# Altium PCB MD2084.PcbDoc (part 4 of 4)
Units mil, origin at the board's own origin, x right, y up, seen from the top; angles counter-clockwise.
Board outline 2480.33 x 1456.84 mil, 6 copper layers (L1_TOP, L2_GND, L3_HS, L4_POWER, L5_GND, L6_BOT), stack 62.954 mil thick; 246 components, 198 nets, 1028 pads, 585 vias.
Unrouted connection lines stored in the file: 92.
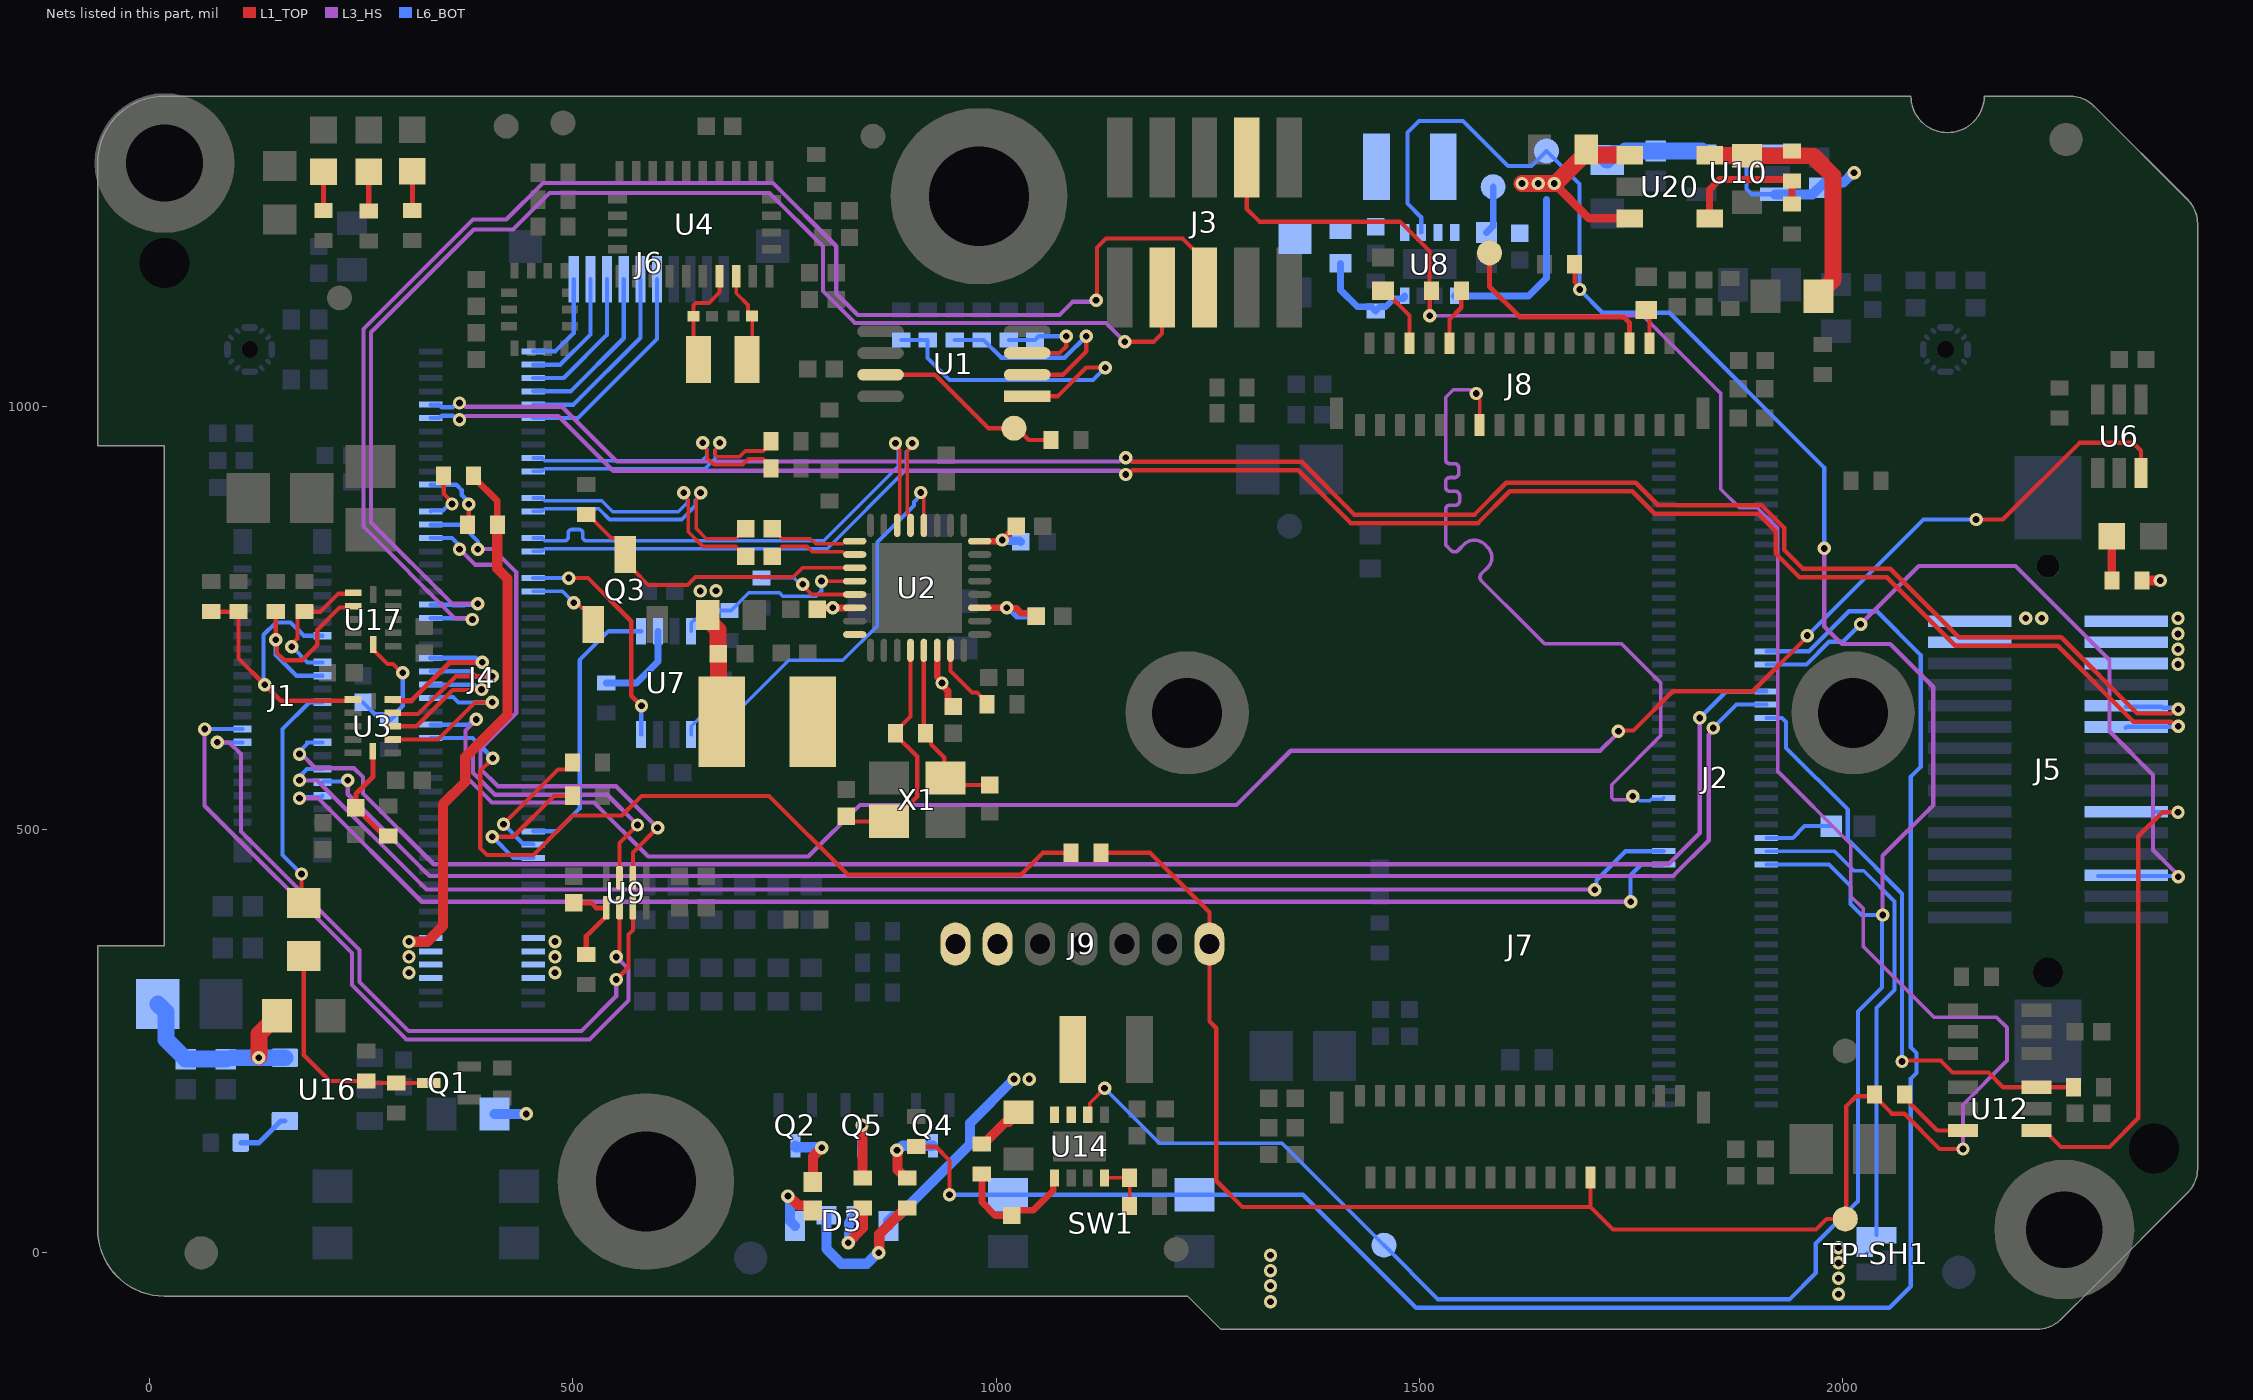
[diagram p8: the nets of this part, all layers, seen from the top]

## Via types
v1: diameter 15.83, hole 7.91, L1_TOP to L6_BOT, tented both sides, 554 vias
v2: diameter 15.98, hole 7.99, L1_TOP to L6_BOT, tented both sides, 23 vias
v3: diameter 20, hole 10, L1_TOP to L6_BOT, 4 vias
v4: diameter 15.83, hole 7.91, L1_TOP to L6_BOT, 4 vias

## Nets (pads, with @x,y where several pads share a name; then routed paths per layer and width w, separated by ;. In a path a pad name is that pad's centre, name@x,y a point inside that pad or via, vN(x,y) a via of type N, cw(c..) or ccw(c..) an arc to the next point about the centre after c; other vN are vias at no path point) (continued)
MIPI_RX7_D3_P: J2.48 J8.13 | length 896.9
  L1_TOP w4.2: v1(1567,1015) 1567,1011.85 1571.19,1007.67 J8.13@1571.19,977.72
  L3_HS w4.2: v1(1567,1015) 1563.85,1015 1559.58,1019.27 1539.73,1019.27 1531,1010.54 1531,945 1531,936.97 ccw(c1535.9,936.97) 1535.9,932.07 1541.46,932.07 cw(c1541.46,927.17) 1546.36,927.17 1546.36,920.64 cw(c1541.46,920.64) 1541.46,915.74 1535.9,915.74 ccw(c1535.9,910.85) 1531,910.85 1531,904.32 ccw(c1535.9,904.32) 1535.9,899.42 1542.41,899.42 cw(c1542.41,894.52) 1547.31,894.52 1547.31,887.99 cw(c1542.41,887.99) 1542.41,883.09 1535.9,883.09 ccw(c1535.9,878.2) 1531,878.2 1531,859.77 1531,836 1532.01,834.99 1535.83,831.17 1537.48,829.52 ccw(c1541.52,833.56) 1545.56,829.52 1554.56,838.52 1554.83,838.52 cw(c1564.93,824.85) 1576.95,836.87 1580.41,833.41 cw(c1568.39,821.39) 1580.41,809.37 1573.06,802.02 ccw(c1577.1,797.98) 1573.06,793.94 1598.53,768.47 1602.35,764.65 1647.71,719.29 1738.67,719.29 1759.98,697.98 1784.79,673.17 1784.79,610.79 1727,553 1727,537.53 1729.46,535.07 1744.58,535.07 1748.85,539.34 v1(1752,539.34)
  L6_BOT w4.2: v1(1752,539.34) 1755.02,539.34 1760.27,534.09 1768.43,534.09 1771.91,534.09 1773.68,535.86 1787.06,535.86 J2.48@1788.51,537.3
MODULE_nRST: J2.39 TP-SH1.2 | length 583.6
  L6_BOT w4.5: J2.39@1909.77,474.31 1990.26,474.31 2013.4,451.17 2024.83,451.17 2061.23,414.77 2061.23,310.35 2039.84,288.96 TP-SH1.2@2039.84,20.65 ; TP-SH1.2@2025.84,-3.35 TP-SH1.2@2029,-0.18
MX_RST: J2.69 R71.1 SW1.1 SW1.3 | length 2267.2
  L1_TOP w5: R71.1@905.47,125.28 928.72,125.28 944.84,109.16 v1(944.84,68.46)
  L6_BOT w5: v1(944.84,68.46) SW1.3@1234.24,68.46 1362.54,68.46 1496,-65 2055,-65 2080.41,-39.59 2080.41,205.77 2087,212.36 2087,236 2080.41,242.59 2080.41,562.41 2092,574 2092,706 2040.22,757.78 2007.26,757.78 1960.02,710.53 J2.69@1909.77,710.53
NetC1_2: C1.2 C64.1 FB3.1 R26.2 U16.5 | length 242.6
  L1_TOP w20: v1@129,231.98 129,258.5 140.82,270.31 142.79,270.31 150.5,278.03 R26.2@150.5,280
  L6_BOT w20: FB3.1@9.6,294 19.26,284.33 19.26,251.98 C64.1@42.53,228.72 ; C64.1@47.53,228.72 C1.2@90,228.72 ; C1.2@96.69,230.4 U16.5@159.8,230.4
  other v1: 129,230.4
NetC46_2: C46.2 L2.2 R66.1 R67.2 U8.5
NetC47_2: C47.2 R64.1 U3.12 | length 127.5
  L1_TOP w6: U3.12@263.78,592.52 263.78,562.16 243.62,542 C47.2@243.62,525.61 271.23,498 276.14,498 R64.1@282,492.14
NetC49_2: C49.2 R69.1 U10.5 | length 116.2
  L6_BOT w20: R69.1@1721.62,1290.69 1729.34,1298.41 1740.03,1298.41 1743.03,1301.4 C49.2@1779.22,1301.4 U10.5@1833.36,1301.41
NetC51_2: C51.2 R50.1 U9.5 | length 105.9
  L1_TOP w6: C51.2@500.86,413.39 521.65,413.39 527.56,407.48 U9.5@539.37,407.48 539.37,397.64 515.75,374.02 R50.1@515.75,352.36
NetC57_2: C57.2 R54.1 U14.1 | length 147.9
  L1_TOP w8: R54.1@983.09,89.35 983.09,59.82 998.83,44.07 C57.2@1018.52,44.07 1024.76,50.31 1043.9,50.31 1067.42,73.82 1067.42,86.88 U14.1@1068.93,88.4
NetC65_2: C65.2 U16.4 | length 62.7
  L6_BOT w6: C65.2@107.72,130 129.28,130 154.88,155.6 U16.4@159.8,155.6
NetC68_2: C68.2 R83.1 U17.12 | length 155
  L1_TOP w5: U17.12@264,718.5 265.44,717.07 265.44,710.94 280.96,695.41 287.62,695.41 298.03,685 v1(299,685)
  L6_BOT w5: C68.2@252,650.13 266.05,636.07 276.64,636.07 R83.1@283,629.72 284.97,629.72 291.33,636.07 291.33,638.04 299,645.72 v1(299,685)
NetC70_2: C70.2 R70.2 R75.1 U20.5 | length 305
  L1_TOP w20: U20.5@1842.67,1296.6 1843.04,1296.23 1886.6,1296.23 C70.2@1886.97,1295.86 1964.53,1295.86 1988.48,1271.91 1988.48,1148.95 1971.5,1131.97 R75.1@1971.5,1130
NetD1_1: D1.1 R80.2 | length 45.9
  L1_TOP w6: R80.2@205.32,1231.12 D1.1@205.32,1277.01
NetD2_2: D2.2 R3.1 | length 52.4
  L1_TOP w10: R3.1@2317.8,794.15 2317.8,846.35 D2.2@2317.91,846.46
NetD3_2: D3.2 R7.2 | length 85.4
  L1_TOP w12: v1(825.28,12) 842.52,29.24 R7.2@842.52,53.15
  L6_BOT w12: v1(825.28,12) 826.02,12.73 826.02,35.37 829.31,38.67 829.31,39.65 834.14,44.48 D3.2@835.13,44.48
NetD3_3: D3.3 R6.2 | length 182.5
  L1_TOP w12: v1(861.2,0) 861.94,0.73 861.94,22.06 890.17,50.29 892.14,50.29 R6.2@895,53.15
  L6_BOT w12: D3.3@799.69,44.48 799.69,4.31 817,-13 847.17,-13 860.17,0 v1(861.2,0)
NetD3_4: D3.4 R5.2 | length 75.8
  L1_TOP w12: v1(754,67) 755.04,67 766.03,56.01 778.64,56.01 783.46,51.18 R5.2@783.46,50.2
  L6_BOT w12: v1(754,67) 754,65.96 756.48,63.48 756.48,37.5 D3.4@762.29,31.68
NetD4_1: D4.1 R44.2 | length 46.2
  L1_TOP w6: R44.2@310.32,1231.12 D4.1@310.32,1277.33
NetD5_1: D5.1 R77.2 | length 46.2
  L1_TOP w6: R77.2@258.83,1230.8 D5.1@258.83,1277.01
NetJ2_41: J2.41 R1.2 | length 82.3
  L6_BOT w5: J2.41@1909.77,490.06 1941,490.06 1954.94,504 R1.2@1986.31,504
NetJ4_23: J4.23 R114.2 | length 173.4
  L1_TOP w5: v1(404.88,491.44) 429.59,491.44 477.81,539.66 R114.2@499.54,539.66
  L6_BOT w5: v1(404.88,491.44) 429.95,466.37 J4.23@453.28,466.37
NetJ4_25: J4.25 R108.2 | length 158.1
  L1_TOP w5: v1(418,506.31) 482.44,570.75 493.19,570.75 499.54,577.11 R108.2@499.54,579.08
  L6_BOT w5: v1(418,506.31) 441.15,483.16 452.23,483.16 J4.25@453.28,482.12
NetJ4_76: J4.76 R72.1 | length 70.9
  L1_TOP w5.16: R72.1@347.28,918 347.28,896.76 357.18,886.87 v1(357.18,884.52) ; R72.1@349.78,918 R72.1@349.78,922.51
  L6_BOT w5.16: J4.76@332.02,875.82 332.98,876.78 346.56,876.78 354.29,884.52 v1(357.18,884.52)
NetJ4_80: J4.80 R60.1 | length 84.3
  L1_TOP w5: R60.1@375.28,860.07 377,861.79 v1(377,884)
  L6_BOT w5: J4.80@332.02,907.32 362.2,907.32 368.59,900.93 368.59,895.34 377,886.93 v1(377,884)
NetJ8_6: J8.6 R63.1 | length 76.2
  L1_TOP w5: R63.1@1457,1136.32 1458.97,1136.32 1488.22,1107.07 J8.6@1488.22,1074.18
NetJ8_28: J8.28 TP8.1 | length 247.3
  L1_TOP w6: TP8.1@1582.71,1181.1 1582.71,1141.19 1618.37,1105.53 1741,1105.53 1748.06,1098.47 J8.28@1748.06,1074.18
NetJ8_30: J8.30 R61.1 | length 39.5
  L1_TOP w5.12: J8.30@1771.68,1074.18 R61.1@1771.68,1113.63
NetL2_1: L2.1 U8.7
NetL4_1: L4.1 U14.7
NetQ1_3: Q1.3 R52.1 R65.2 R78.1 | length 278
  L1_TOP w5: R78.1@182,350.39 182,233.61 212.85,202.76 R52.1@255.91,202.76 258.06,200.6 287.4,200.6 R65.2@287.4,202.76 ; R65.2@289.56,200.6 Q1.3@329.56,200.6
NetQ2_3: Q2.3 R5.1 | length 77.9
  L1_TOP w12: R5.1@783.46,83.66 783.46,113.46 v1(794,124)
  L6_BOT w12: Q2.3@762.78,126.45 762.78,124.83 762.87,124.73 793.27,124.73 v1(794,124)
NetQ4_3: Q4.3 R6.1 | length 83.3
  L1_TOP w12: v1(882.73,121) 883.47,120.27 883.47,98.15 893.03,88.58 R6.1@895,88.58
  L6_BOT w12: v1(882.73,121) 883.77,121 889.22,126.45 Q4.3@925.16,126.45
NetQ5_3: Q5.3 R7.1 | length 86.4
  L1_TOP w12: v1(841.52,150.46) 842.02,149.96 842.02,89.08 R7.1@842.52,88.58
  L6_BOT w12: v1(841.52,150.46) Q5.3@841.52,126.45 Q5.3@841.61,126.35
NetR29_1: R29.1 R33.2 U1.1 | length 385.4
  L1_TOP w5: U1.1@1036.61,1011.61 1072.35,1011.61 1106.3,1045.56 v1(1128.94,1045.56)
  L6_BOT w5: R29.1@888,1078.28 R33.2@919,1078.28 919,1057.03 945.03,1031 1114.38,1031 v1(1128.94,1045.56)
NetR30_1: R30.1 R34.2 U1.2 | length 273.5
  L1_TOP w5: U1.2@1036.61,1037.2 1078.82,1037.2 1106.3,1064.69 v1(1106.3,1082.68)
  L6_BOT w5: R34.2@951,1078.28 R30.1@983,1078.28 984.97,1078.28 1005.9,1057.35 1080.98,1057.35 v1(1106.3,1082.68)
NetR31_1: R31.1 R35.2 U1.3 | length 130.8
  L1_TOP w5: U1.3@1036.61,1062.8 1074.8,1062.8 1082.68,1070.68 v1(1082.68,1082.68)
  L6_BOT w5: R31.1@1015,1078.28 R35.2@1045.94,1078.28 1050.33,1082.68 v1(1082.68,1082.68)
NetR32_2: R32.2 TP2.1 U1.7 | length 233.6
  L1_TOP w5: U1.7@863.39,1037.2 927.8,1037.2 991,974 TP2.1@1021,974 1024.49,974 1038.49,960 R32.2@1064.96,960
NetR41_2: R41.2 U7.6 | length 107.4
  L6_BOT w8: R41.2@539.37,673.06 575.06,673.06 600.39,698.39 U7.6@600.39,734.25
NetR43_2: R43.2 U2.31 | length 85.1
  L1_TOP w5: U2.31@946.06,711.64 946.06,687.1 971.36,661.8 977.45,661.8 989.28,649.97 R43.2@989.28,648
NetR55_1: R55.1 R59.2 U14.4 | length 63.1
  L1_TOP w4.3: U14.4@1127.98,88.4 1128.08,88.49 R59.2@1157.7,88.49 R55.1@1157.7,55.19
NetR62_2: R62.2 U12.3 | length 89.1
  L1_TOP w5: R62.2@2072.72,187 2079.07,180.64 2079.07,176.93 2111.59,144.41 U12.3@2142,144.41
NetR67_1: R67.1 R68.2 U8.4 | length 125.8
  L6_BOT w8: R67.1@1406.74,1168.71 1406.74,1137.26 1426.54,1117.46 1443.38,1117.46 R68.2@1448.23,1112.6 1453.09,1117.46 1460.14,1117.46 1469.61,1126.93 1480.92,1126.93 1482.43,1128.44 U8.4@1482.43,1130.32
NetR70_1: R70.1 R74.2 U20.4 | length 164.1
  L1_TOP w8: U20.4@1842.67,1221.8 1842.67,1256.06 1854.33,1267.72 1938.03,1267.72 R70.1@1940,1265.75 R74.2@1940,1238.91
nRST: J1.26 R2.1 R82.1 U3.7 | length 385.1
  L1_TOP w5: R2.1@73,757.28 R82.1@105,757.28 105,702 v1(136,671) 154.91,652.09 U3.7@240.38,652.09
  L6_BOT w5: v1(136,671) 134.59,672.41 134.59,729.97 149.23,744.61 166.47,744.61 182.22,728.87 J1.26@204.25,728.87
PCIE_1V0: C7.2 C8.2 C13.2 C14.2 C15.2 C16.2 C17.2 C18.2 L1.2 U2.3 U2.8 U2.22 U2.30 | length 432.4
  L1_TOP w8: C13.2@793.75,760.01 795.52,761.78 U2.22@832.87,761.84 U2.22@832.87,761.84 ; U2.30@930.32,711.64 930.32,680.8 936,675.12 936,670.88 943.23,663.65 943.23,651.48 C14.2@949.47,645.25 ; U2.3@980.51,761.84 v1@1014.58,761.84 ; U2.8@980.51,840.58 v1@1005.93,840.58 ; v1@1007.18,841.82 C16.2@1023.62,858.27 ; v1(1012.46,761.84) 1013.19,761.11 1023.89,761.11 1029.69,755.31 1043.91,755.31 C15.2@1047.24,751.97
  L1_TOP w20: C7.2@655.29,753.64 655.29,751.67 671.51,735.45 671.51,707.92 C8.2@671.74,707.68 671.98,707.44 671.98,631.27 L1.2@676.02,627.23
  L6_BOT w8: v1(1012.46,761.84) 1014.58,761.84 1024.42,752 C18.2@1047.25,752
  L6_BOT w10: v1(1007,842) 1008.05,840.95 1027.79,840.95 C17.2@1028.83,839.91
  other v1: 936,673 806.94,761.84 650.37,781.65 669,782
PCIe_CLKREQ_N_1V8: J4.65 U7.4 | length 275.7
  L1_TOP w5: v1(495,797) 517.9,797 569,745.9 569,658 v1(581,646)
  L6_BOT w5: J4.65@453.28,797.08 453.31,797.04 494.96,797.04 v1(495,797) ; U7.4@580.71,612.2 580.85,612.35 580.85,645.85 v1(581,646)
PCIe_CLKREQ_N_3V3: R39.1 U2.12 U7.1 | length 497.7
  L1_TOP w4.3: v1(911,898) 911,894.88 914.57,891.31 U2.12@914.57,859.28
  L6_BOT w4.3: U7.1@639.76,612.2 639.76,622.05 657.48,639.76 692.91,639.76 694.88,639.76 755.02,699.9 818.9,699.9 859.69,740.69 859.69,839.54 902.9,882.75 902.9,886.78 911,894.88 v1(911,898)
PCIe_ISOLATE_N_1V8: J4.27 U7.5 | length 328
  L6_BOT w5: J4.27@453.28,497.87 481.15,497.87 487.39,504.11 487.39,504.16 508,524.77 508,700 542.25,734.25 U7.5@580.71,734.25
PCIe_ISOLATE_N_3V3: R40.1 U2.20 U7.8 | length 233.4
  L1_TOP w4.3: v1(793.67,793.41) 793.75,793.34 U2.20@832.87,793.34
  L6_BOT w4.3: U7.8@639.76,734.25 639.76,744.09 643.52,747.85 644.85,747.85 655.72,758.72 R40.1@685,758.72 686.97,758.72 707.78,779.53 744.09,779.53 748.03,775.59 787.4,775.59 793.59,781.78 793.59,793.33 v1(793.67,793.41)
PCIe_PERST_1V8: J4.63 Q3.1 | length 97.3
  L1_TOP w4.3: v1(501,768) 504.12,768 510.49,761.63 518.49,761.63 529.13,750.98 Q3.1@529.13,742.13
  L6_BOT w4.3: J4.63@453.28,781.33 487.67,781.33 v1(501,768)
PCIe_PERST_N_3V3: Q3.3 R37.1 U2.19 | length 370.3
  L1_TOP w4.3: R37.1@515.75,871.88 517.72,871.88 545.29,844.31 551.28,844.31 560.45,835.14 560.45,826.28 Q3.3@561.93,824.8 561.93,815.94 572.57,805.3 572.7,805.3 589.15,788.85 635.44,788.85 644.9,798.31 760.42,798.31 771.19,809.08 U2.19@832.87,809.08
PCIe_WAKE_N: R38.1 U2.21 | length 119.1
  L1_TOP w4.3: v1(771.65,789.65) 771.65,788.09 782.15,777.59 U2.21@832.87,777.59
  L6_BOT w4.3: R38.1@722.83,797.24 760.94,797.24 768.53,789.65 v1(771.65,789.65)
PG_3V3: J2.37 R10.1 TP7.1 TP13.1 U8.6 U14.6 | length 3177.2
  L1_TOP w4.3: U14.6@1108.3,163.2 1110.59,165.49 1110.59,176.78 v1(1128,194.19)
  L1_TOP w5: R10.1@1683.39,1167.72 1683.39,1146.63 1689.3,1140.72 v1(1689.3,1137.8)
  L3_HS w5: v1(1978,832) 1978,740 1997,721 1999,719 2056,719 2107,668 2107,528.84 2047.06,468.91 v1(2047.06,399)
  L6_BOT w4.3: v1(1128,194.19) 1192.88,129.31 1337.69,129.31 TP7.1@1458,9
  L6_BOT w5: TP7.1@1458,9 1522,-55 1937,-55 1968,-24 1968,11 2018,61 2018,285 2046.41,313.41 2046.41,398.35 v1(2047.06,399) ; U8.6@1502.12,1205.12 1502.12,1223.07 1485.81,1239.37 1485.81,1323.3 1499.51,1337 1551.42,1337 1604.73,1283.69 1632.28,1283.69 TP13.1@1650,1301.41 1689,1262.41 1689,1137.77 1716.39,1110.39 1795.13,1110.39 1978,927.51 v1(1978,832) ; J2.37@1909.77,458.56 1983.68,458.56 2009.21,433.04 2009.21,412.05 2022.26,399 v1@2046.41,399
REGOUT: L1.1 U2.24
RX_DBG: J3.3 J4.62 | length 1612.7
  L1_TOP w5: v1(1152,1076) 1186,1076 1196,1086 J3.3@1196,1140.23
  L3_HS w5: v1(387.75,766.78) 357.09,766.78 261.53,862.35 261.53,1087.38 382.81,1208.66 429.13,1208.66 472.44,1251.97 732.28,1251.97 795.28,1188.98 795.28,1136.18 833.03,1098.43 1129.57,1098.43 v1(1152,1076)
  L6_BOT w5: J4.62@332.02,765.58 356.97,765.58 357.95,764.61 371.62,764.61 372.34,765.32 386.29,765.32 v1(387.75,766.78)
SDS_CLK_N: J4.83 R9.1 | length 334.1
  L1_TOP w4.2: v1(653.54,956.69) 653.54,953.67 658.8,948.42 658.8,938.62 666.72,930.7 700.35,930.7 707.4,937.76 725.03,937.76 727.49,935.3 727.49,933.18 R9.1@734.25,926.42
  L6_BOT w4.2: J4.83@453.28,938.81 463.51,938.81 466.73,935.6 652.26,935.6 658.8,942.13 658.8,948.42 653.54,953.67 v1(653.54,956.69)
SDS_CLK_P: J4.81 R8.1 | length 334.1
  L1_TOP w4.2: v1(673.37,956.69) 673.37,953.67 668.12,948.42 668.12,942.48 670.57,940.02 696.49,940.02 703.55,947.08 725.03,947.08 727.49,949.54 727.49,951.66 R8.1@734.25,958.42
  L6_BOT w4.2: J4.81@453.28,923.06 463.51,923.06 466.73,926.28 656.12,926.28 668.12,938.27 668.12,948.42 673.37,953.67 v1(673.37,956.69)
SDS_RXD1_N: C20.1 U2.18 | length 106.2
  L1_TOP w4.2: C20.1@735.53,822.42 747.37,834.26 776.61,834.26 782.82,828.05 818.82,828.05 822.04,824.83 U2.18@832.87,824.83
SDS_RXD1_P: C19.1 U2.17 | length 106.2
  L1_TOP w4.2: C19.1@735.53,855.42 747.37,843.58 780.47,843.58 786.68,837.36 818.82,837.36 822.04,840.58 U2.17@832.87,840.58
SDS_RXD_N: C20.2 J4.77 | length 334.2
  L1_TOP w4.2: v1(631,897.64) 631,894.62 636.26,889.36 636.26,851.66 653.65,834.26 687.5,834.26 692.19,834.26 C20.2@704.04,822.42
  L6_BOT w4.2: J4.77@453.28,891.57 463.51,891.57 466.73,888.35 534.27,888.35 547.17,875.46 624.57,875.46 635,885.89 635,890.5 631,894.49 v1(631,897.64)
SDS_RXD_P: C19.2 J4.75 | length 335.2
  L1_TOP w4.2: v1(650.83,897.64) 650.83,894.62 645.57,889.36 645.57,855.52 657.51,843.58 683.64,843.58 692.19,843.58 C19.2@704.04,855.42
  L6_BOT w4.2: J4.75@453.28,875.82 463.51,875.82 466.73,879.03 530.41,879.03 543.31,866.14 628.43,866.14 644.31,882.03 644.31,888.11 650.83,894.62 v1(650.83,897.64)
SDS_TXD_N: J4.71 U2.14 | length 616.5
  L1_TOP w4.2: v1(881.09,956.21) 881.09,953.07 885.84,948.32 885.84,872.88 883.07,870.12 U2.14@883.07,859.28
  L6_BOT w4.2: J4.71@453.28,844.32 463.51,844.32 466.73,841.11 488,841.11 490.1,841.11 ccw(c490.1,845.41) 494.4,845.41 494.4,850.04 cw(c498.7,850.04) 498.7,854.33 507.29,854.33 cw(c507.29,850.04) 511.59,850.04 511.59,845.41 ccw(c515.89,845.41) 515.89,841.11 524.13,841.11 796.44,841.11 884.38,929.06 884.38,947.94 883.31,949.01 883.31,953.99 v1(881.09,956.21)
SDS_TXD_P: J4.69 U2.13 | length 615.3
  L1_TOP w4.2: U2.13@898.82,859.28 898.82,869.75 895.15,873.42 895.15,947.43 900.91,953.19 v1(900.91,956.21)
  L6_BOT w4.2: J4.69@453.28,828.57 463.51,828.57 466.73,831.79 800.29,831.79 893.7,925.2 893.7,945.98 900.91,953.19 v1(900.91,956.21)
SoM_FSYNC: J4.44 U6.3 | length 2381.5
  L1_TOP w5: v1(1735,616.04) 1735.94,616.99 1752.91,616.99 1799.21,663.29 1893.65,663.29 1958.18,727.82 v1(1958.18,729.08) ; v1(2157.48,866.14) 2188.98,866.14 2279.53,956.69 2343.06,956.69 2352.36,947.39 U6.3@2352.36,921.26
  L3_HS w5: v1(386,630) 373,617 373,563.27 404.27,532 525.07,532 589.07,468 778,468 839,529 1284,529 1348,593 1713.38,593 1735,614.62 v1(1735,616.04)
  L6_BOT w5: J4.44@332.02,623.85 376.92,623.85 383.07,630 v1(386,630) ; v1(1958.18,729.08) 2095.24,866.14 v1(2157.48,866.14)
STRB/I2S_SCK_1V8: J5.25 U12.4 | length 564
  L1_TOP w5: U12.4@2228.61,144.41 2238.46,144.41 2257.87,125 2315,125 2349,159 2349,491.96 2377.31,520.27 v1(2396,520.27)
  L6_BOT w5: J5.25@2366.5,520.27 2366.87,520.63 2395.63,520.63 v1(2396,520.27)
STRB/SCK_SEL: J2.59 R56.2 U12.6 | length 698.8
  L1_TOP w5: v1(2070,226) 2071,227 2115.63,227 2129.68,212.95 2172.05,212.95 2189.41,195.59 U12.6@2228.61,195.59 R56.2@2272.28,195.59
  L6_BOT w5: J2.59@1909.77,631.79 1928.34,631.79 1933.07,627.06 1933.07,596.36 2006,523.43 2006,488 2069.98,424.02 v1@2069.98,226.02
STROBE: J3.8 J7.10 J9.7 R62.1 R84.2 R85.2 TP11.1 | length 3459.2
  L1_TOP w5: R84.2@1124.02,472.44 1181.56,472.44 1251.81,402.19 1251.81,273.45 1260,265.26 1260,85 1290.87,54.13 1701.87,54.13 ; J3.8@1296,1293.77 1296,1233 1311,1218 1477,1218 1511.84,1183.16 R85.2@1511.84,1129.43 ; v1(1512,1107) R85.2@1512,1134.39 ; J7.10@1701.87,88.85 1701.87,54.13 ; v1(2142,122.61) 2114.39,122.61 2072.66,164.34 2057.98,164.34 2037.28,185.03 R62.1@2037.28,187 2035.14,184.85 2015.85,184.85 2004,173 2004,41.02 TP11.1@2002.98,40 1980.94,40 1968.5,27.56 1728.44,27.56 1701.87,54.13
  L3_HS w4.3: v1(1512,1107) 1764,1107 1856,1015 1856,902 1878,880 1899,880 1923,856 1923,568.96 2009.56,482.4 2009.56,421.24 2024,406.8 2024,362 2108,278 2182,278 2194,266 2194,227 2142,175 v1(2142,122.61)
STROBE_GEN: J4.42 R84.1 | length 975.3
  L1_TOP w5: v1(405.41,584.07) 390.47,569.12 390.47,478.03 398.49,470 453.28,470 487.39,504.11 487.39,504.16 499.64,516.41 557.75,516.41 581,539.66 731.72,539.66 824.9,446.49 1029.16,446.49 1055.12,472.44 R84.1@1088.58,472.44
  L6_BOT w5: J4.42@332.02,608.1 381.25,608.1 405.29,584.07 v1(405.41,584.07)
STROBE_IMX378: J8.10 R85.1 | length 67.9
  L1_TOP w5: J8.10@1535.46,1074.18 1535.46,1102.36 1549.36,1116.26 R85.1@1549.36,1136.32
SYS_RST: J4.89 J6.6 | length 255.4
  L6_BOT w5: J4.89@453.28,986.06 506.06,986.06 599.43,1079.43 J6.6@599.43,1150
TCK: J4.97 J6.2 | length 147.5
  L6_BOT w5: J4.97@453.28,1049.05 485.05,1049.05 520.69,1084.68 J6.2@520.69,1150
TDI: J4.95 J6.3 | length 173.8
  L6_BOT w5: J4.95@453.28,1033.3 489.19,1033.3 540.37,1084.48 J6.3@540.37,1150
TDO: J4.91 J6.5 | length 228.4
  L6_BOT w5: J4.91@453.28,1001.8 500.76,1001.8 579.74,1080.79 J6.5@579.74,1150
TH_I2C_SCL: J1.28 R81.1 U17.7 | length 158.5
  L1_TOP w5: v1(168,716) 168,718.93 174.67,725.6 174.67,750.93 180.24,756.49 R81.1@182.57,756.49 ; R81.1@183,757.28 201.78,757.28 223.04,778.54 239.39,778.54 U17.7@240.38,779.53
  L6_BOT w5: v1(168,716) 186.63,697.37 J1.28@204.25,697.37
TH_I2C_SDA: J1.29 R79.1 U17.8 | length 263.2
  L1_TOP w5: R79.1@149,757.28 v1(149,724) 150.41,722.59 150.41,708.59 159,700 180.27,700 198,717.73 198,735.84 224.51,762.34 238.94,762.34 U17.8@240.38,763.78
  L6_BOT w5: v1(149,724) 149,706 173.38,681.62 J1.29@204.25,681.62
TH_IO_1: J4.52 U3.4 | length 211.8
  L1_TOP w5: U3.4@287.62,636.35 317.06,636.35 361.71,681 v1(404.88,681)
  L6_BOT w5: J4.52@332.02,686.84 379.22,686.84 385.97,680.09 403.97,680.09 v1(404.88,681)
TH_IO_2: J4.50 U3.3 | length 185.1
  L1_TOP w5: U3.3@287.4,622.05 315.49,622.05 358.13,664.68 391.5,664.68 v1(392.12,665.3)
  L6_BOT w5: J4.50@332.02,671.09 383.39,671.09 389.19,665.3 v1(392.12,665.3)
TH_IO_3: J4.48 U3.2 | length 211.6
  L1_TOP w5: U3.2@287.4,606.3 340.51,606.3 384.34,650.13 v1(404.88,650.13)
  L6_BOT w5: J4.48@332.02,655.35 333.06,656.39 348.96,656.39 349.03,656.46 358.53,656.46 364.86,650.13 v1(404.88,650.13)
TH_nRST: J4.54 U3.5 | length 187.3
  L1_TOP w6: U3.5@287.62,652.09 309.21,652.09 354.48,697.37 v1(393,697.37)
  L6_BOT w6: J4.54@332.02,702.59 385.12,702.59 390.34,697.37 v1(393,697.37)
TH_RX: J4.74 U9.2 | length 688.2
  L1_TOP w5: U9.2@570.87,442.91 570.87,472.87 v1(600,502)
  L3_HS w5: v1(387.75,831.2) 405.8,831.2 433,804 433,637.27 391,595.27 391,571.52 411.52,551 551,551 v1(600,502)
  L6_BOT w5: J4.74@332.02,860.07 367.68,860.07 387.75,840 v1(387.75,831.2)
TH_RX_3V3: J1.7 U9.7 | length 847.2
  L1_TOP w5: v1(551.18,322.83) 565.59,337.25 565.59,375.9 570.87,381.17 U9.7@570.87,407.48
  L3_HS w5: v1(80,602.88) 94.12,602.88 108,589 108,497.73 248,357.73 248,320 306,262 510.03,262 551.18,303.15 v1(551.18,322.83)
  L6_BOT w5: v1(80,602.88) J1.7@109.76,602.88
TH_SPI2_CS: J1.38 J2.38 | length 1727.3
  L3_HS w5: v1(177,537) 199,537 321.43,414.57 v1(1749.41,414.57)
  L6_BOT w5: v1(177,537) 178.44,538.44 202.81,538.44 J1.38@204.25,539.89 ; v1(1749.41,414.57) 1749.41,445.97 1762,458.56 J2.38@1788.51,458.56
TH_SPI2_MISO: J1.34 J2.63 | length 1998.1
  L3_HS w5: v1(177,589.1) 179.32,589.1 196.01,572.41 241.59,572.41 252,562 252,542.65 335.65,459 1794.27,459 1831,495.73 v1(1831,631.79)
  L6_BOT w5: v1(177,589.1) 177,592.03 185.93,600.96 185.93,602.88 J1.34@204.25,602.88 ; v1(1831,631.79) 1862.5,663.29 J2.63@1909.77,663.29
TH_SPI2_MOSI: J1.37 J2.61 | length 1921.6
  L3_HS w5: v1(234,558) 234,541.59 330.59,445 1799.62,445 1841.68,487.06 1841.68,611.78 1846.84,616.93 v1(1846.84,619.86)
  L6_BOT w5: J1.37@204.25,555.64 205.43,556.82 232.82,556.82 v1(234,558) ; v1(1846.84,619.86) 1874.51,647.54 J2.61@1909.77,647.54
TH_SPI2_SCK: J1.36 J2.40 | length 1724.4
  L3_HS w5: v1(177,558) 198,558 327.02,428.98 v1(1707,428.98)
  L6_BOT w5: v1(177,558) 179.07,560.07 179.07,564.53 185.93,571.39 J1.36@204.25,571.39 ; v1(1707,428.98) 1709.07,431.06 1709.07,440.06 1743.32,474.31 J2.40@1788.51,474.31
TH_TX: J4.72 U9.3 | length 648.7
  L1_TOP w5: U9.3@555.12,442.91 555.12,484.12 v1(576.31,505.31)
  L3_HS w5: v1(366,831.2) 384.37,812.83 407.17,812.83 420,800 420,637 382,599 382,567 408,541 540.62,541 v1(576.31,505.31)
  L6_BOT w5: J4.72@332.02,844.32 357.33,844.32 366,835.65 v1(366,831.2)
TH_TX_3V3: J1.8 U9.6 | length 908.6
  L1_TOP w5: v1(551.18,349.5) 551.18,352.43 555.12,356.36 U9.6@555.12,407.48
  L3_HS w5: v1(65,618.63) 65,528 239,354 239,316.27 303.27,252 519.72,252 565.59,297.88 565.59,335.08 v1(551.18,349.5)
  L6_BOT w5: v1(65,618.63) J1.8@109.76,618.63
TMS: J4.99 J6.1 | length 120.1
  L6_BOT w5: J4.99@453.28,1064.8 453.48,1065 479.39,1065 501,1086.61 J6.1@501,1150
TRST: J4.93 J6.4 | length 202.5
  L6_BOT w5: J4.93@453.28,1017.55 497.37,1017.55 560.06,1080.24 J6.4@560.06,1150
TX_DBG: J3.5 J4.60 | length 1736.2
  L1_TOP w5: v1(1118,1125) 1119.13,1126.13 1119.13,1187.4 1129.73,1198 1220,1198 1233.03,1184.97 1233.54,1184.97 1246,1172.51 J3.5@1246,1140.23
  L3_HS w5: v1(381.3,748.03) 379.93,749.41 360.83,749.41 252.53,857.71 252.53,1091.11 381.89,1220.47 421.26,1220.47 464.57,1263.78 736.22,1263.78 811.02,1188.98 811.02,1133.16 836.55,1107.63 1074.63,1107.63 1090.24,1123.24 1116.24,1123.24 v1(1118,1125)
  L6_BOT w5: J4.60@332.02,749.83 332.44,749.41 379.93,749.41 v1(381.3,748.03)
USB_D_N: J4.90 J5.21 | length 2333.7
  L1_TOP w5.3: v1(1153,919.28) 1155.85,919.28 1160.75,924.19 1356.64,924.19 1418.85,861.98 1569.15,861.98 1606.68,899.51 1751.49,899.51 1778.02,872.98 1899.9,872.98 1920.83,852.05 1920.83,826.02 1948.85,798 2051.83,798 2132.83,717 2253.83,717 2343.84,626.99 2388.28,626.99 2393.27,622 v1(2396.12,622)
  L3_HS w5.15: v1(366,984) 368.89,984 373.28,988.39 482.61,988.39 547.33,923.67 1145.72,923.67 1150.11,919.28 v1(1153,919.28)
  L6_BOT w5.3: J4.90@332.02,986.06 342.25,986.06 345.11,988.92 358.23,988.92 363.15,984 v1(366,984) ; J5.21@2334.53,619.96 2336.07,621.5 2395.62,621.5 v1(2396.12,622)
USB_D_P: J4.92 J5.20 | length 2334.1
  L1_TOP w5.3: v1(1153,939.11) 1155.85,939.11 1160.75,934.21 1360.79,934.21 1423,872 1565,872 1602.53,909.53 1755.64,909.53 1782.17,883 1904.05,883 1930.85,856.2 1930.85,830.17 1953,808.02 2055.98,808.02 2136.98,727.02 2257.98,727.02 2347.99,637.01 2388.28,637.01 2393.27,642 v1(2396.12,642)
  L3_HS w5.15: v1(366,1003.83) 368.89,1003.83 373.28,999.44 487.19,999.44 551.91,934.72 1145.72,934.72 1150.11,939.11 v1(1153,939.11)
  L6_BOT w5.3: J4.92@332.02,1001.8 342.25,1001.8 345.11,998.94 358.26,998.94 363.15,1003.83 v1(366,1003.83) ; J5.20@2334.53,644.96 2376.85,644.96 2377.81,644 2394.12,644 v1(2396.12,642)
VBUS_SRC_EN: J2.67 J5.28 | length 883.9
  L3_HS w5: v1(2021,742.41) 2089.74,811.16 2203.99,811.16 2314.96,700.19 2314.96,616.04 2366.5,564.5 2366.5,475.98 2396.12,446.36 v1(2396.12,444.25)
  L6_BOT w5: J2.67@1909.77,694.78 1957,694.78 1983.92,721.71 2000.3,721.71 v1(2021,742.41) ; J5.28@2301.54,444.96 2301.7,445.13 2395.25,445.13 v1(2396.12,444.25)
VDD_5V: C42.2 C43.2 C48.2 C56.2 C69.2 D3.1 J4.5 J4.6 J4.7 J4.8 J4.9 J4.10 J4.11 J4.12 J5.14 J5.15 J5.16 J5.17 J5.18 J9.1 J9.2 R3.2 R54.2 R58.1 R60.2 R72.2 TP3.1 U8.1 U8.8 U10.1 U10.3 U14.8 U20.1 U20.3 | length 1723.3
  L1_TOP w8: R72.2@382.72,918 382.72,916.03 410.72,888.03 R60.2@410.72,860.07
  L1_TOP w10: v1(1659.13,1263) 1700.33,1221.8 U20.3@1748.18,1221.8
  L1_TOP w12: v1@307.26,367.35 327.98,367.35 346.46,385.83 346.46,529.71 372.91,556.17 372.91,585.5 422.79,635.38 422.79,796.21 410.72,808.28 R60.2@410.72,860.07 ; R54.2@983,128.5 984.97,128.5 1014.59,158.12 C56.2@1014.89,158.12 ; C56.2@1014.89,154.61 C56.2@1014.89,158.12 ; C56.2@1026.61,165.9 1022.67,165.9 C56.2@1014.89,158.12 ; R3.2@2353.24,794.15 v1(2375,794.15)
  L1_TOP w20: v1(1621.13,1263) v1(1640.13,1263) v1(1659.13,1263) 1660.64,1263 1696.85,1299.21 C69.2@1696.85,1300.38 ; C69.2@1696.85,1303.15 C69.2@1696.85,1300.38 ; U20.1@1748.18,1296.6 1700.63,1296.6 C69.2@1696.85,1300.38
  L6_BOT w5: U10.3@1919.97,1250.23 1892.61,1250.23 1886.37,1256.47 1886.37,1295.19 1892.59,1301.41 U10.1@1919.97,1301.41
  L6_BOT w8: U8.1@1541.49,1130.32 1628.76,1130.32 1650,1151.56 1650,1244 ; C43.2@1579.14,1205.12 1587.01,1213 TP3.1@1587.01,1259.26
  L6_BOT w12: R58.1@407.5,164 v1(444.88,164) ; D3.1@872.53,31.68 872.53,37.59 878.34,43.4 884.24,43.4 969,128.16 969,153.19 v1(1021,205.19) ; U10.3@1919.97,1250.23 1964.26,1250.23 1978.34,1264.3 2000.78,1264.3 2012.29,1275.81 v1(2013.33,1275.81)
  other v1: 1324,-58 1995,-49 1324,-39 1995,-30 1324,-21 1995,-12 1324,-3 1995,6 1039,205.19 306.46,330.61 478.83,330.61 306.46,349.5 478.83,349.5 306.46,367.61 478.83,367.61 2396,695 2396,713 2396,731 2216,749.5 2235,749.5 2396,749.5
VSYNC_3V3: J1.31 R78.2 | length 275.9
  L1_TOP w5: v1(179.41,447.41) 179.41,415.98 R78.2@182,413.39
  L6_BOT w5: v1(179.41,447.41) 157.01,469.8 157.01,618.64 188.5,650.13 J1.31@204.25,650.13
XI: C28.2 R42.1 U2.28 X1.1 | length 289.2
  L1_TOP w5: C28.2@822.83,515.75 829.03,509.56 X1.1@873.23,509.56 877.17,509.56 906.69,539.08 906.69,586.19 881.1,611.78 R42.1@881.1,613.75 881.1,615.72 898.82,633.44 U2.28@898.82,711.64
XIN: C32.2 U4.27 Y1.1 | length 88.9
  L1_TOP w4.5: U4.27@692.91,1153.54 692.91,1133.51 706.91,1119.5 706.91,1110.55 710.96,1106.5 C32.2@711.75,1106.5 711.75,1079.39 Y1.1@707.16,1074.8
XO: C29.2 R42.2 U2.29 X1.3 | length 217.1
  L1_TOP w5: U2.29@914.57,711.64 914.57,615.72 922.89,607.39 922.89,600.73 938.63,584.99 938.63,562.27 948.41,552.49 C29.2@992.38,552.49
XOUT: C31.2 U4.26 Y1.2 | length 103.5
  L1_TOP w4.5: Y1.2@649.68,1074.8 642.52,1081.96 C31.2@642.52,1106.3 642.52,1119.41 645.16,1122.05 660.63,1122.05 673.23,1134.65 U4.26@673.23,1153.54
pads on no net: FID1.1 FID2.1 FID3.1 FID4.1 J1.12 J1.13 J1.14 J1.15 J1.16 J1.17 J1.24 J1.30 J1.32 J1.33 J1.35 J1.39 J1.40 J2.34 J2.36 J2.45 J2.47 J2.49 J2.51 J2.52 J2.54 J2.55 J2.56 J2.57 J2.66 J2.68 J2.70 J2.83 J2.84 J2.85 J2.86 J2.89 J2.90 J2.91 J2.92 J2.95 J2.96 J2.97 J2.98 J3.1 J4.31 J4.33 J4.35 J4.37 J4.41 J4.43 J4.45 J4.47 J4.51 J4.53 J4.56 J4.58 J4.68 J4.70 J4.84 J4.86 J4.96 J4.98 J5.27 J5.C1 J5.C2 J6.11 J6.12 J7.0 J7.6 J7.28 J7.30 J7.32 J8.0 MIC1. MIC2. U4.1 U4.7 U4.8 U4.12 U4.13 U4.21 U4.22 U4.23 U4.24 U5.2 U5.3 U5.10 U5.11 U10.4 U17.2 U17.3 U17.9 U17.10

## Polygon pours and split planes (outlines as drawn)
GND on L6_BOT "GND_L06_P097" (solid, pour order 97): -61.3,-3.7 -60.24,1366.12 2440.94,1366.12 2440.94,-124.02 59.02,-124.02
VDD_5V on L6_BOT "VDD_5V_L06_P033" (solid, pour order 33): 419,538 423.5,542.5 461.43,542.5 516.26,487.68 538.32,487.68 561,465 561,454 482,454 480,456 480,464 464,480 417.92,480
1V1_CCM on L6_BOT "1V1_CCM_L06_P090" (solid, pour order 90): 1449.94,218.94 1462.17,218.94 1472.08,209.02 1502.59,209.33 1511.87,218.61 1511.87,263.54 1511.09,264.33 1377.23,264.33 1373.29,260.39 1373.29,201.34 1432.35,201.34
1V1 on L6_BOT "1V1_L06_P083" (solid, pour order 83): 1276.36,262.36 1353.39,262.36 1353.39,202.44 1283.65,202.44 1238.69,157.48 1224.41,157.48 1218.02,163.87 1218.05,177.95 1218,178 1218,204
VDD_5V on L6_BOT "VDD_5V_L06_P022" (solid, pour order 22): 2100,752 2111,763 2234,763 2241,756 2241,731 2218,708 2099.79,708
3V3 on L6_BOT "3V3_L06_P028" (solid, pour order 28): 998,1107 998,1054.82 988.18,1045 956,1045 951,1050 951,1100 958,1107
VDD_5V on L6_BOT "VDD_5V_L06_P089" (solid, pour order 89): 344.29,321 340.13,316.84 299.45,316.84 294.29,322 294.29,374 300.29,380 339.29,380 344.29,375
VDD_5V on L6_BOT "VDD_5V_L06_P087" (solid, pour order 87): 441,321 445.16,316.84 485.84,316.84 491,322 491,374 485,380 446,380 441,375
GND on L6_BOT "GND_L06_P081" (solid, pour order 81): 1489.8,1150.3 1496.8,1143.3 1496.8,1120.3 1527.8,1120.3 1527.8,1142.3 1535.8,1150.3 1629.8,1150.3 1629.8,1181.98 1626.48,1185.3 1464.8,1185.3 1458.8,1191.3 1437.8,1191.3 1437.8,1137.3 1467.8,1137.3 1480.8,1150.3
VDD_5V on L6_BOT "VDD_5V_L06_P082" (solid, pour order 82): 1603.32,1225.37 1610.24,1232.28 1610.24,1263.8 1617.44,1271 1664.26,1271 1669.29,1265.97 1669.29,1215.05 1646.06,1192.37 1538.81,1192.37 1535.81,1195.37 1535.81,1215.37 1545.81,1225.37
NetC46_2 on L6_BOT "NETC46_2_L06_P080" (solid, pour order 80): 1399.87,1225.37 1334.81,1225.37 1329.81,1220.37 1329.81,1185.37 1382.81,1185.37 1394.81,1197.3 1419.8,1197.3 1423.8,1201.3 1467.8,1201.3 1473.8,1195.3 1488.8,1195.3 1488.8,1217.3 1465.38,1240.72 1465.38,1322.18 1433.8,1322.18 1433.8,1259.3
NetL2_1 on L6_BOT "NETL2_1_L06_P074" (solid, pour order 74): 1544.56,1324.1 1544.56,1241.6 1527.96,1225.01 1527.96,1194.18 1513.06,1194.18 1511.96,1195.28 1511.96,1324.1
3V3_R on L6_BOT "3V3_R_L06_P060" (solid, pour order 60): 126,869 102,893 102,979 109,986 128,986.06 146.06,986.06 159,973.12 159,792 134,767 99,767 99,812 120,812 126,818
VDD_5V on L6_BOT "VDD_5V_L06_P017" (solid, pour order 17): 269,518 289,538 325,538 325,481 276,481 269,488
VDD_5V on L6_BOT "VDD_5V_L06_P023" (solid, pour order 23): 2285,757 2403.5,757 2410.5,750 2410.5,692 2404.5,686 2285,686
3V3 on L6_BOT "3V3_L06_P053" (solid, pour order 53): 2271,394.46 2251,394.46 2251,432.46 2271,432.46
VDD_5V on L6_BOT "VDD_5V_L06_P020" (solid, pour order 20): 486,118 491,123 570,123 578,115 578,78.18 569,69.18 494.86,69.18 486,78.04
GND on L1_TOP "GND_L01_P095" (solid, pour order 95): 273.91,-65.96 376.27,-65.96 378.78,-63.45 378.78,-53.86 1068.39,-53.86 1068.39,-73.45 1070.91,-75.96 1173.27,-75.96 1175.78,-73.45 1175.78,-53.86 1225.18,-53.86 1263.82,-92.49 1265.59,-93.23 2229.46,-93.23 2229.92,-93.19 ccw(c2229.46,-51.31) 2258.49,-81.5 2259.17,-81.01 2298.59,-41.59 2409.38,69.2 ccw(c2379.77,98.82) 2421.65,98.82 2421.65,1215.81 ccw(c2379.77,1215.81) 2409.38,1245.43 2409.37,1245.44 2298.59,1356.23 ccw(c2268.97,1326.61) 2268.97,1368.49 2167.17,1368.49 2164.65,1365.98 cw(c2123.86,1366.37) 2083.07,1365.98 2080.56,1368.49 18.39,1368.49 17.55,1368.64 ccw(c17.55,1287.38) -63.71,1287.38 -63.69,1287.1 -63.69,27.41 ccw(c17.56,27.4) 17.55,-53.86 271.39,-53.86
1V1 on L1_TOP "1V1_L01_P093" (solid, pour order 93): 1153.87,276.19 1153.87,205.19 1121.87,173.19 1121.87,153.19 1146.97,153.19 1153.42,159.63 1240.16,159.63 1240.16,194.19 1191.87,194.19 1184.87,201.19 1184.87,276.19
NetL4_1 on L1_TOP "NETL4_1_L01_P068" (solid, pour order 68): 1081.87,153.19 1081.87,193.19 1074.87,200.19 1074.87,279.19 1105.87,279.19 1105.87,200.19 1094.87,189.19 1094.87,153.19
VDD_5V on L1_TOP "QQ" (solid, pour order 73): 1008.76,213.57 1012.7,217.51 1049.48,217.51 1053.07,213.57 1053.01,201.36 1074.57,179.8 1074.57,153.47 1072.1,150.99 1011.42,150.99 1008.42,153.99 1008.42,198.99 1008.76,199.34
3V3_R on L1_TOP "3V3_R_L01_P071" (solid, pour order 71): 143,862 143,922.79 154,933.79 154,985 149,990 138,990 123,975 123,943 101,921 91,921 91,862
PCIE_1V0 on L1_TOP "PCIE_1V0_L01_P064" (solid, pour order 64): 641.05,752.36 641.05,784.52 646.05,789.52 671.05,789.52 677.17,783.4 677.17,752.6
VDD_5V on L1_TOP "QQ" (solid, pour order 67): 1972,9 1978,15 2000,15 2008,7 2008,-84 2004,-88 1361,-88 1302,-89 1301,-90 1300,-89 1300,-5 1314,9 1367.63,9
GND on L1_TOP "GND_L01_P066" (solid, pour order 66): 700,773 693,766 693,697 756,697 756,718 771.51,733.51 771.51,773
REGOUT on L1_TOP "REGOUT_L01_P063" (solid, pour order 63): 835.03,733.99 820.99,733.99 799.21,712.21 799.21,696.21 783,680 756,680 756,574 811,574 811,671.16 846,706.16 846,734
1V8 on L4_POWER "1V8_L04_P094" (solid, pour order 94): -48.2,-20.33 ccw(c17.56,27.4) 17.55,-53.86 1225.18,-53.86 1263.82,-92.49 1265.59,-93.23 2229.46,-93.23 2229.92,-93.19 ccw(c2229.46,-51.31) 2258.49,-81.5 2259.69,-80.25 2297.82,-42.12 2298.59,-41.59 2409.38,69.2 ccw(c2379.77,98.82) 2421.65,98.82 2421.65,1215.81 ccw(c2379.77,1215.81) 2413.58,1240.53 ccw(c2379.68,1215.96) 2409.28,1245.57 2409,1245.81 2298.73,1356.09 2298.49,1356.36 ccw(c2268.87,1326.75) 2268.87,1368.63 2167.07,1368.63 2164.55,1366.12 cw(c2123.76,1366.51) 2090.82,1342.45 cw(c2123.86,1366.37) 2083.07,1365.98 2079.63,1368.49 18.61,1368.49 17.44,1368.78 ccw(c17.44,1287.52) -63.81,1287.52 -63.79,1287.24 -63.79,953.32 -61.28,950.81 14.95,950.81 14.95,365.29 -61.28,365.29 -63.79,362.77 -63.79,27.55 ccw(c17.46,27.53)
VDD_5V on L4_POWER "VDD_5V_L04_P069" (solid, pour order 69): 2196.85,773.97 2026.46,603.58 2028.96,163.96 1973,108 1972,108 1849,-15 1558,-15 1243.79,299.21 1062.99,299.21 1022,340.2 1022,389 1009,402 931,402 919,390 919,385 302,385 265,348 265,272 360,177 360,109 504.5,-35.5 1232.5,-35.5 1274,-77 2114.94,-76.06 2167.07,-23.93 2419.04,228.04 2419.04,1232.26 2285.18,1366.12 1630,1366.12 1607,1343 1607,1246 1632,1221 1990.02,1221 2051.18,1159.83 2051.18,1035.43 2157.33,1035.43 2196.85,996.16
GND on L4_POWER "GND_L04_P088" (solid, pour order 88): 1499,185.04 1555,241.04 1555.12,299 1555.12,299.21 1578.74,322.83 1674.83,322.83 1785.07,433.07 1964.57,433.07 2019.68,377.95 2019.68,157.24 1850.44,-12 1559.24,-12 1453,94.24 1453,140.46 1497.58,185.04
GND on L4_POWER "GND_L04_P086" (solid, pour order 86): 337,1029 356,1048 375,1048 409,1014 504,1014 556,962 846,962 866,982 1162,982 1183,961 1183,896 1162,875 1145,875 1129,891 702,891 697,886 556,886 494,948 359,948 337,970
GND on L4_POWER "GND_L04_P070" (solid, pour order 70): 1822,502.99 1811.33,492.31 1725,491 1683,533 1683,625 1483,825 1483,1016 1545,1078 1745,1078 1769,1054 1769,1012.32 1822,958.85
PCIE_1V0 on L4_POWER "PCIE_1V0_L04_P065" (solid, pour order 65): 631,791 631,750 698.56,682.44 893.56,682.44 928,648 978,648 1032,702 1032,844 1023,853 981,853 936,808 648,808
GND on L3_HS "GND_L03_P084" (solid, pour order 84): 271.39,-53.86 378.78,-53.86 1068.39,-53.86 1175.78,-53.86 1225.18,-53.86 1263.82,-92.49 1265.59,-93.23 2229.46,-93.23 2229.92,-93.19 ccw(c2229.46,-51.31) 2258.49,-81.5 2259.17,-81.01 2298.59,-41.59 2409.38,69.2 ccw(c2379.77,98.82) 2421.65,98.82 2421.65,1215.81 ccw(c2379.77,1215.81) 2409.38,1245.43 2409.37,1245.44 2298.59,1356.23 ccw(c2268.98,1326.62) 2268.97,1368.49 2167.17,1368.49 2164.65,1365.98 cw(c2123.86,1366.37) 2083.07,1365.98 2080.56,1368.49 18.39,1368.49 17.55,1368.64 ccw(c17.55,1287.38) -63.71,1287.38 -63.69,1287.1 -63.69,27.41 ccw(c17.56,27.39) 17.55,-53.86
3V3 on L3_HS "3V3_L03_P061" (solid, pour order 61): 943,897.51 960,880.51 960,780 985,755 985,675 980,670 917,670 878.39,708.61 798.05,708.61 775.35,731.3 640.7,731.3 593,779 593,814 617,838 846,838 905.51,897.51
3V3 on L3_HS "3V3_L03_P052" (solid, pour order 52): 2271,394.46 2251,394.46 2251,432.46 2271,432.46
GND on L2_GND "GND_L02_P096" (solid, pour order 96): -48.2,-20.33 ccw(c17.56,27.4) 17.55,-53.86 1225.18,-53.86 1263.82,-92.49 1265.59,-93.23 2229.46,-93.23 2229.92,-93.19 ccw(c2229.46,-51.31) 2258.49,-81.5 2259.69,-80.25 2297.82,-42.12 2298.59,-41.59 2409.38,69.2 ccw(c2379.77,98.82) 2421.65,98.82 2421.65,1215.81 ccw(c2379.77,1215.81) 2413.58,1240.53 ccw(c2379.68,1215.96) 2409.28,1245.57 2409,1245.81 2298.73,1356.09 2298.49,1356.36 ccw(c2268.87,1326.75) 2268.87,1368.63 2167.07,1368.63 2164.55,1366.12 cw(c2123.76,1366.51) 2090.82,1342.45 cw(c2123.86,1366.37) 2083.07,1365.98 2079.63,1368.49 18.61,1368.49 17.44,1368.78 ccw(c17.44,1287.52) -63.81,1287.52 -63.79,1287.24 -63.79,953.32 -61.28,950.81 14.95,950.81 14.95,365.29 -61.28,365.29 -63.79,362.77 -63.79,27.55 ccw(c17.46,27.53)
VDD_5V on L2_GND "VDD_5V_L02_P092" (solid, pour order 92): 2019.68,-86.61 2015.75,-90.55 1303.15,-90.55 1303.15,3.94 1314.96,15.75 1330.71,15.75 1366.14,-19.68 1944.88,-19.68 1988.19,23.62 2007.87,23.62 2019.68,11.81
GND on L5_GND "GND_L05_P091" (solid, pour order 91): -48.2,-20.33 ccw(c17.56,27.4) 17.55,-53.86 1225.18,-53.86 1263.82,-92.49 1265.59,-93.23 2229.46,-93.23 2229.92,-93.19 ccw(c2229.46,-51.31) 2258.49,-81.5 2259.69,-80.25 2297.82,-42.12 2298.59,-41.59 2409.38,69.2 ccw(c2379.77,98.82) 2421.65,98.82 2421.65,1215.81 ccw(c2379.77,1215.81) 2413.58,1240.53 ccw(c2379.68,1215.96) 2409.28,1245.57 2409,1245.81 2298.73,1356.09 2298.49,1356.36 ccw(c2268.87,1326.75) 2268.87,1368.63 2167.07,1368.63 2164.55,1366.12 cw(c2123.76,1366.51) 2090.82,1342.45 cw(c2123.86,1366.37) 2083.07,1365.98 2079.63,1368.49 18.61,1368.49 17.44,1368.78 ccw(c17.44,1287.52) -63.81,1287.52 -63.79,1287.24 -63.79,953.32 -61.28,950.81 14.95,950.81 14.95,365.29 -61.28,365.29 -63.79,362.77 -63.79,27.55 ccw(c17.46,27.53)

## Keep-outs
L1_TOP:
  circle w3.94: c2121.26,1066.93 r118.11
L2_GND:
  lines w3.94: 879,672 879,636.25 849,606.25 849,593 840,584 828,584 807,563 807,493 822,478 992,478 1006,492 1006,549 938,617 938,658.13

## Silkscreen, mask and mechanical layers (free items; w line width, h text height)
Top Overlay:
  drawing of 12 lines, arcs and shapes, not listed
  text "1000/100/10" at 203,1159.35 h31.5
  text "5V" at 2253,838.91 h31.5
  text ".project_title  / .revision" at 66.08,-29.28 h98.43
Bottom Overlay:
  drawing of 10 lines, arcs and shapes, not listed
  text ".project_title  .revision" at 1710.28,983.68 h98.43 r90
  text "MX_RST" at 1199.83,129.58 h39.37
  text "BOOT" at 173,57.41 h39.37
Board:
  lines w5: -61.3,1287.52 cw(c17.44,1287.52) 17.44,1366.26 17.46,1366.12 ; -61.28,1287.38 -61.28,953.32 17.46,953.32 17.46,362.77 -61.28,362.77 -61.28,27.55 ccw(c17.46,27.54) 17.44,-51.21 ; -61.18,1287.24 -61.19,1287.38 ; 2080.45,1366.12 ccw(c2123.76,1366.51) 2167.07,1366.12 2268.87,1366.12 cw(c2268.87,1326.75) 2296.71,1354.59 ; 2229.36,-90.58 2229.36,-90.54 ccw(c2229.36,-51.17) 2257.2,-79 2257.29,-79.1 2296.71,-39.67 ; 2257.39,-79.23 2257.3,-79.14 ; 2296.81,-39.81 2407.61,70.98 ; 2407.5,71.12 ccw(c2379.67,98.96) 2419.04,98.96 ; -61.19,1287.38 cw(c17.55,1287.38) 17.55,1366.12 ; -61.19,1287.38 cw(c17.55,1287.38) 17.55,1366.12 ; 17.55,-51.34 cw(c17.56,27.4) -61.18,27.41 ccw(c17.56,27.4) 17.55,-51.34 ; 17.55,-51.34 1226.22,-51.34 1265.59,-90.72 2229.46,-90.72 2229.46,-90.67 ; 17.55,1366.12 17.56,1365.98 2080.56,1365.98 ; 2080.56,1365.98 ccw(c2123.86,1366.37) 2167.17,1365.98 cw(c2123.86,1366.37) 2080.56,1365.98 ; 2229.46,-90.68 ccw(c2229.46,-51.31) 2257.3,-79.14 ; 2229.46,-90.68 ccw(c2229.46,-51.31) 2257.3,-79.14 ; 2296.81,1354.45 ccw(c2268.97,1326.61) 2268.97,1365.98 cw(c2268.97,1326.61) 2296.81,1354.45 ; 2296.81,1354.45 2407.61,1243.65 cw(c2379.77,1215.81) 2419.14,1215.81 2419.14,98.82 ; 2407.61,70.98 ccw(c2379.77,98.82) 2419.14,98.82 ; 2407.61,70.98 ccw(c2379.77,98.82) 2419.14,98.82 ; 2407.5,1243.79 cw(c2379.67,1215.95) 2419.04,1215.95 ccw(c2379.67,1215.95) 2407.5,1243.79
Board Shape:
  drawing of 16288 lines, arcs and shapes, not listed

## Text inside footprints (layer, text, board x,y; h text height)
J2: Bottom Assembly "CONNECTOR A" at 2003,584.56 h31.5 r270
J3: Top Overlay "1" at 1098.87,1082 h39.37; Top Overlay "9" at 1379,1157 h39.37
J4: Bottom Assembly "BW2099 Module / <1mm clearance" at 995.01,950.63 h78.74 r90; Bottom Assembly "CONNECTOR B" at 317.83,875.82 h39.37 r90
J6: Bottom Overlay "1" at 466.4,1134.35 h39.37 r180; Bottom Overlay "10" at 695.98,1134.35 h39.37 r180; Assembly Notes "Top contact ffc" at 481.42,1315.45 h39.37 r180
J8: Top Courtyard "IMX378/582/214" at 1745.26,462.18 h39.37 r180